# Allegro board ftu_k64_evk.brd (continued)
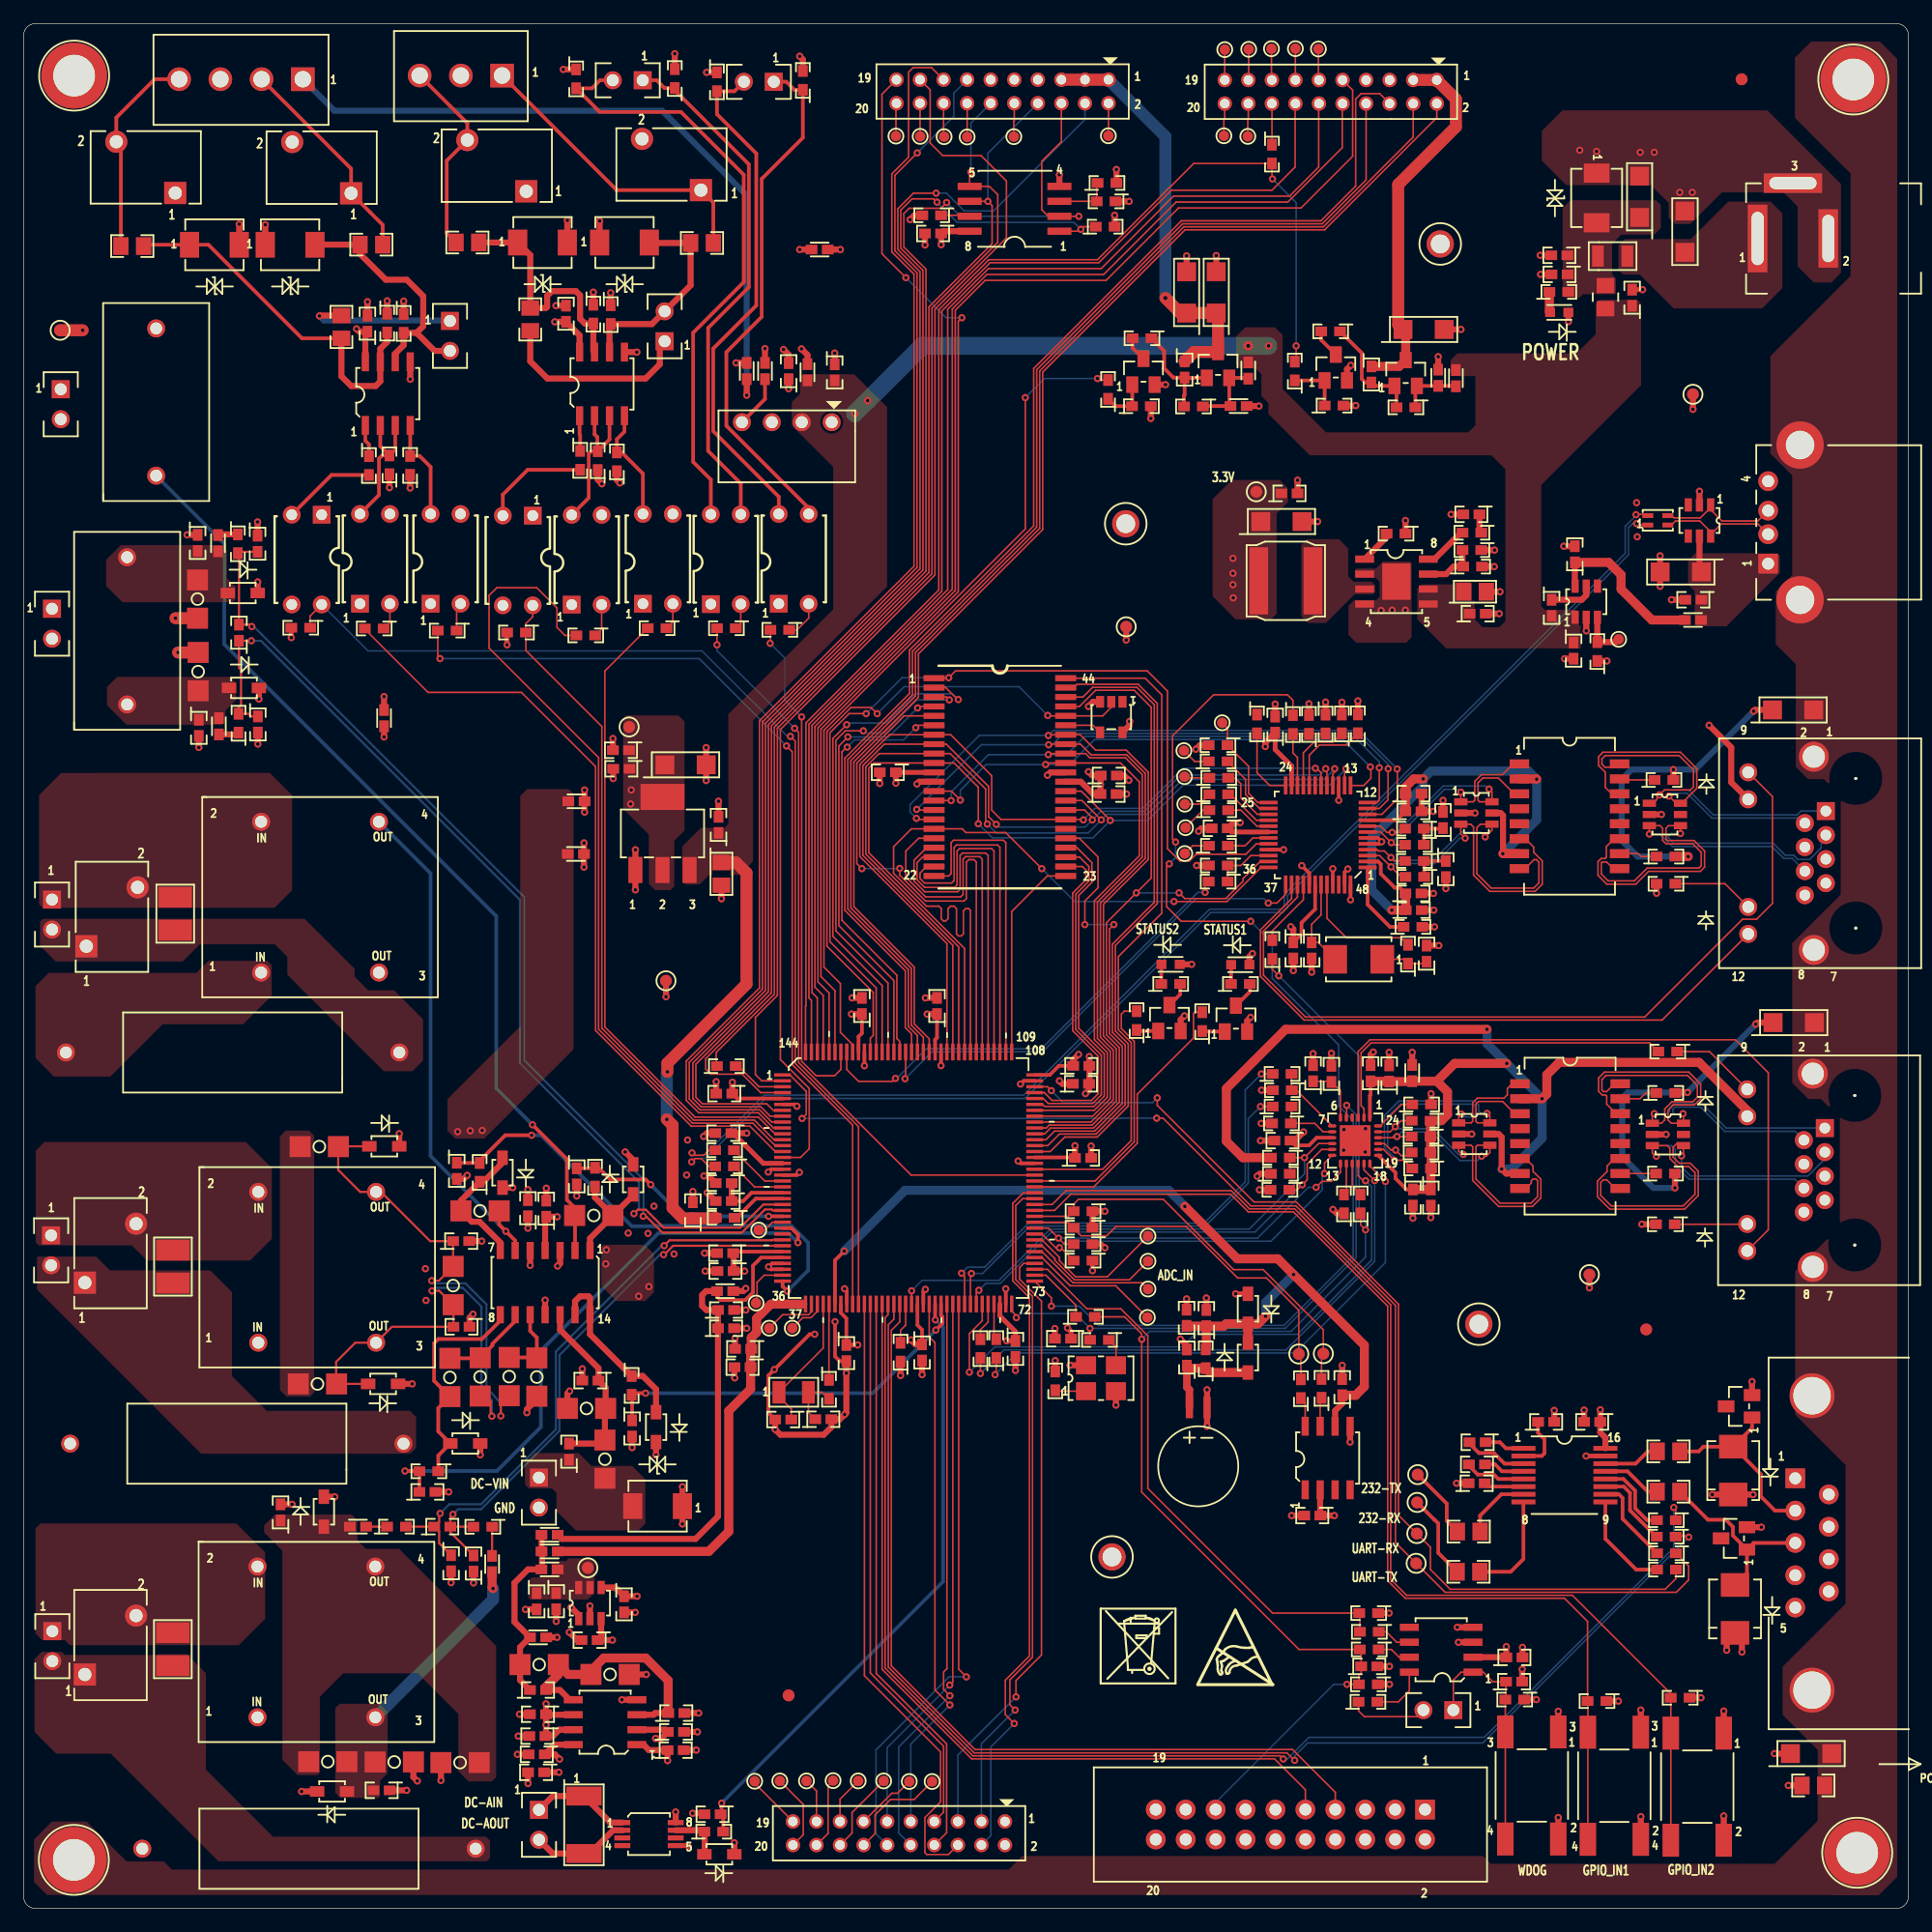
[diagram p0: board, top side]
## Routing (per net, layer and track width the routed paths; a pad name or vN(x,y) marks a point on that pad's centre or on a via; arc(x,y) is an arc through that point) (continued)
U2_IN_N: length 36.9
  TOP w0.178: R39.1 39.16,43.49 39.65,43 39.65,41.89 v1(39.75,41.78) ; D16.A 26.58,44.53 R44.2 26.53,44.56 26.53,46.4 28.16,48.02 PT2.3 31.27,49.37 C45.2 36.49,51.23 R43.2 35.29,52.43 v1(34.67,52.43)
  BOTTOM w0.178: v1(34.67,52.43) 34.92,52.68 37.28,52.68 38.86,51.1 38.86,44.04 39.75,43.15 v1(39.75,41.78)
U2P_OUT: length 51.1
  TOP w0.305: C42.1 33.6,35.36 R38.2 33.58,37.13 v1(32.38,37.13) ; v1(65.74,56.52) 65.74,57.19 65.17,57.75 U1.27
  BOTTOM w0.305: v1(32.38,37.13) 40.18,37.13 43.91,40.86 43.91,47.35 53.89,57.33 64.92,57.33 v1(65.74,56.52)
U3_IN_N: length 47.5
  TOP w0.178: R54.2 38.17,32.41 C52.2 ; C52.2 36.23,31.94 C54.2 ; C52.2 36.23,33.23 v1(36.45,33.45) ; U1.30 55.14,56.25 54.39,55.5 v1(54.33,55.5)
  BOTTOM w0.178: v1(36.45,33.45) 36.88,33.88 38.84,33.88 45.49,40.54 45.49,46.97 54.02,55.5 v1(54.33,55.5)
U3_IN_P: length 49.3
  TOP w0.178: v1(35.36,33.53) 35.28,33.45 35.28,32.83 C52.1 ; C52.1 R49.2 ; C52.1 35.28,31.99 35.28,31 C50.1 ; U1.29 63.6,56.75 63.56,56.72 54.83,56.72 v1(54.38,56.26)
  BOTTOM w0.178: v1(35.36,33.53) 36.14,34.32 38.84,34.32 45.19,40.67 45.19,47.28 54.17,56.26 v1(54.38,56.26)
UART1_RX: length 85.6
  TOP w0.127: v1(87.24,69.42) 86.91,69.75 U1.106 ; R140.1 140.26,28 139.36,27.09 121.1,27.09 119.43,28.77 119.43,30.66 TP22.1 116.71,33.38 116.71,51.29 108.03,59.97 104.44,59.97 96.24,68.17 v1(96.24,68.81)
  BOTTOM w0.127: v1(87.24,69.42) 88.26,68.4 95.83,68.4 v1(96.24,68.81)
UART1_TX: length 111.9
  TOP w0.127: v1(96.18,67.08) 96.73,67.08 104.17,59.64 108,59.64 116.45,51.19 116.45,31.05 TP21.1 120.67,26.84 140.3,26.84 141.35,27.89 141.35,29.07 R136.1 ; v1(66.09,67.06) 66.44,67.41 66.44,69.36 65.05,70.75 U1.1
  BOTTOM w0.127: v1(66.09,67.06) 93.14,67.06 93.16,67.08 v1(96.18,67.08)
USB_5V: length 4.7
  TOP w0.305: U1.22 62.15,60.25 60.52,58.62 R3.1
USB_5V_HOST: length 3.1
  TOP w0.508: U18.5 142.26,113.62 C80.1
USB_EN: length 4
  TOP w0.508: TP20.1 135.16,107.49 R111.2 133.59,109.59 U17.3
USB_HOST_D_N: length 108
  TOP w0.127: v1(56.71,63.37) 56.99,63.65 57.52,63.65 58.19,62.99 R10.2 ; v1(136.93,117.55) 137.05,117.43 L14.1
  BOTTOM w0.127: v1(56.71,63.37) 56.96,63.61 57.03,63.68 57.91,63.68 62.99,68.76 85.01,68.76 100.79,84.54 106.89,84.54 107.3,84.95 107.3,85.98 136.24,114.92 136.24,117.21 136.58,117.55 v1(136.93,117.55)
USB_HOST_D_P: length 108
  TOP w0.127: v1(56.74,64.14) 56.94,63.93 57.75,63.93 58.19,64.36 R9.2 ; v1(136.88,118.31) 136.9,118.34 137.77,118.34 L14.4
  BOTTOM w0.127: v1(56.74,64.14) 56.9,63.96 57.79,63.96 62.87,69.04 84.89,69.04 100.68,84.82 106.77,84.82 107.02,85.07 107.02,86.09 135.96,115.04 135.96,117.32 136.75,118.11 136.75,118.18 v1(136.88,118.31)
USB_HOST_VBUS: length 14.1
  TOP w0.508: U17.6 131.68,112.26 C84.1
  TOP w0.762: L12.1 138.22,109.37 135.61,111.99 135.61,113.21 134.55,114.26 C84.1
VOUT33: length 6.1
  TOP w0.305: U1.21 61.79,60.75 61.08,60.05 C18.1
  TOP w0.508: C17.1 C18.1
VREF_ADC: length 16.1
  TOP w0.508: C123.1 42.14,19.38 R162.1 42.14,22.17 L26.2 41.68,24.32 41.68,27.64 42.82,28.78 L10.2 44.01,28.83 44.01,30.26 L9.2 43.97,31.71 L27.2
VREF_ADC_HALF: length 29.4
  TOP w0.508: v1(45.33,54.53) 45.54,54.74 U6.3 ; R51.2 v1(35.43,10.87) ; v1(33.43,10.82) 33.09,11.15 R53.1 ; U32.2 54.51,15.17 C120.1 54.14,14.43 v1(53.65,14.43) ; L26.1 v1(45.29,23.01) ; C119.1 v1(44.35,15.57) 44.35,14.68 C122.1 44.94,14.63 45.48,15.17 U32.7 ; C119.1 v1(44.35,17.37) ; C119.1 44.39,16.44 U32.6 ; U6.5 v1(43,54.59) ; R35.1 43.57,43.21 42.72,42.37 v1(42.72,42.09) ; U32.1 52.62,13.9 53.09,13.44 C121.1 v1(54.67,12.55)
  TOP w1.016: R32.1 v1(12.89,109.52) ; TP44.1 v1(5.02,133.96) ; R30.2 v1(13.12,106.61)
VREF_HALF: length 21.9
  TOP w0.508: U32.3 53.48,16.44 53.62,16.59 C124.1 ; C123.2 45.52,18.54 46.33,17.73 46.65,17.73 U32.5
  TOP w0.762: C124.1 54.72,19.35 52.81,21.26 49.25,21.26 48.16,20.17 R163.1 46.23,19.86 R162.2 45.39,19.86 44.36,18.83 C123.2
VREF_OUT: length 38.9
  TOP w0.305: U1.37 66.13,51.3
  TOP w0.762: 66.13,51.3 63.44,51.3 62.22,50.09 62.22,48.9 61.77,48.45 C11.1 61.72,47.45 C12.1 61.72,44.09 59.86,42.24 59.86,32 58.17,30.3 L9.1
VREFH: length 44.8
  TOP w0.305: U1.32 62.61,55.25 61.92,54.56 61.92,52.3 61.26,51.64 59.18,51.64 58.87,51.95 L1.1
  TOP w0.508: L27.1 45.69,31.37 57.04,31.37 58.95,33.27 C13.1 C14.1 57.96,50.8 57.6,51.16 57.6,52.07 57.93,52.4 L1.1
WAKE: length 7.3
  TOP w0.127: R88.2 110.49,99.7 R81.1 109.1,99.69 R91.2 107.75,98.08 108.14,97.7 U12.22
WDOG: length 48.8
  TOP w0.127: R147.2 113.44,25.01 R145.2 106.02,25.07 95.44,35.65 95.44,48.61 93.14,50.9 90.27,50.9 86.92,54.25 U1.75
WIFI/LCD_GPIO1: length 106.6
  TOP w0.127: U1.9 63.52,66.75 62.47,67.79 57.42,67.79 56.51,68.7 56.51,71.82 62.72,78.03 62.72,100.71 75.84,113.83 75.84,138.84 73.96,140.72 73.96,147.12 v1(75.86,149.02)
  BOTTOM w0.127: J21.13 78.96,154.1 78.96,152.12 v1(75.86,149.02)
WIFI/LCD_GPIO2: length 109.4
  TOP w0.127: U1.10 63.66,66.25 62.37,67.54 57.31,67.54 56.26,68.59 56.26,71.93 62.47,78.14 62.47,100.81 75.59,113.93 75.59,138.73 73.71,140.61 73.71,147.24 75.13,148.67 75.13,155.88 75.51,156.26 77.07,156.26 J21.15
WIFI/LCD_GPIO3: length 107.2
  TOP w0.127: U1.15 65.96,63.75 66.7,64.49 66.7,69.6 64.24,72.06 64.24,100.08 77.36,113.19 77.36,135.74 83.43,141.81 83.43,146.63 81.27,148.79 78.02,148.79 76.96,149.86 76.96,154.38 J21.17
WIFI/LCD_GPIO4: length 92.1
  TOP w0.127: v1(79.65,135.03) 79.34,134.72 79.34,111.77 67.69,100.11 67.69,79.11 68.88,77.91 U1.139 ; J21.19 72.87,154 72.87,140.46 v1(74.9,138.43)
  BOTTOM w0.127: v1(79.65,135.03) 78.3,135.03 v1(74.9,138.43)
WIFI/LCD_PWR_CNTL: length 71.4
  TOP w0.127: v1(91.16,129.87) 91.29,129.74 R153.2 ; U1.136 70.38,73.33 69.34,74.37 69.34,78.51 67.94,79.91 67.94,100.01 85.03,117.1 v1(85.03,128.24)
  BOTTOM w0.127: v1(85.03,128.24) 86.66,129.87 v1(91.16,129.87)
N16756265: length 3
  TOP w0.127: R65.1 T1.10
N16756269: length 3.3
  TOP w0.127: R66.1 137.7,69.23 137.21,68.73 T1.15
N16757442: length 16.4
  TOP w0.305: D11.A 142.6,39.2 142.2,38.8 R135.2 ; D11.A 147.47,36.86 147.47,34.98 148.67,33.77 J16.2 ; D11.A 146.72,40.79 DN2.1
N16757516: length 15.9
  TOP w0.305: DN1.1 146.29,28.47 D10.A ; DN1.1 146.85,31.03 J16.3 ; DN1.1 145.1,31.65 145.1,32.38 144.5,32.99 142.98,32.99 R139.2
N16758787: length 3.4
  TOP w0.305: C93.1 125.32,39.57 125.83,39.06 U28.1
N16758791: length 5.4
  TOP w0.305: U28.3 125.71,37.76 124.81,38.66 123.54,38.66 122.74,39.46 C93.2
N16758795: length 3.5
  TOP w0.305: U28.4 125.5,37.11 124.91,37.69 C92.1
N16758815: length 5.2
  TOP w0.305: C92.2 122.69,37.58 123.44,36.83 124.81,36.83 125.18,36.46 U28.5
N16758819: length 3.4
  TOP w0.305: U28.6 124.32,35.81 C91.2
N16758823: length 4.8
  TOP w0.305: R135.1 137.88,38.8 136.84,37.76 U28.14
N16758837: length 7
  TOP w0.305: U28.11 135.84,35.81 136.37,35.28 136.37,33.79 138.6,31.56 R134.2
N16758843: length 6.7
  TOP w0.305: R138.2 137.81,32.96 136.8,33.97 136.8,35.46 135.8,36.46 U28.12
N16758849: length 4.8
  TOP w0.305: U28.2 128.88,38.41 129.1,38.63 129.1,39.83 128.56,40.37 C89.1
N16758873: length 5.1
  TOP w0.305: R139.1 137.88,35.38 136.15,37.11 U28.13
N16759319: length 2.5
  TOP w0.127: U5.7 80.22,143.73 R25.1
N16772440: length 9.4
  TOP w0.508: D3.A 51.75,60.54 R28.2 ; R28.2 48.51,60.34 R27.1 ; R28.2 48.08,56.88 U6.1
N16775214: length 11.3
  TOP w0.508: D4.A 40.66,63.3 39.04,61.68 R31.1 37.12,60.09 R33.2 38.04,58.29 38.7,58.29 40.46,56.53 U6.7
N16775930: length 19.6
  TOP w0.305: R38.1 35.2,38.44 D5.A 35.2,40.49 35.2,42.46 R40.2 34.85,44.79 34.85,47.98 35.2,48.34 38.91,48.34 40.46,49.89 U6.8
N16775968: length 6.3
  TOP w0.305: R37.2 43.53,46.77 R35.2 43.57,48.46 43,49.02 U6.10
N16775998: length 7.5
  TOP w0.305: R40.1 38.71,46.7 R39.2 39.8,47.79 39.8,47.93 41.73,49.86 U6.9
N16783367: length 15.4
  TOP w0.508: U6.12 45.54,49.12 48.8,45.86 C47.1 49.41,44.2 R47.1 49.35,42.38 R45.2 49.05,39.46 C46.2
N16785222: length 16.5
  TOP w0.762: L8.1 39.77,27.23 v1(39.85,27.15)
  BOTTOM w1.016: PT3.3 39.85,26.22 v1(39.85,27.15)
N16786136: length 2.5
  TOP w0.178: L8.2 39.77,32.38 R54.1
N16786139: length 1.8
  TOP w0.178: R49.1 L7.2
N16788483: length 15.2
  TOP w0.508: U6.13 46.81,51.54 47.24,51.96 47.95,51.96 48.08,51.84 U6.14 48.08,48.73 R46.1 52.56,45.2 53.69,44.07 D6.A
N16795804: length 1.8
  TOP w0.762: R157.1 129.52,135.55 D12.A
N16798051: length 3.9
  TOP w0.508: U17.5 132.65,111.47 132.26,111.09 C83.1
N16806806: length 4
  TOP w0.127: C77.1 118.94,80.21 R96.1 117.16,80.57 Y2.1
N16812858: length 3.2
  TOP w0.127: U1.68 81.88,49.78 81.22,49.12 R2.2
N16812861: length 3.1
  TOP w0.127: R4.2 82.38,48.52 U1.69
N16826797: length 12
  TOP w0.305: R114.2 31.55,123.83 U21.3 ; R114.2 30.45,123.34 30.17,123.06 30.17,119.98 U22.4 ; R114.2 30.28,124.12 U21.2
N16826898: length 8.7
  TOP w0.305: U21.4 32.82,123.3 R118.2 33.62,123.29 34.55,122.36 U23.4
N16826947: length 13.1
  TOP w0.508: R124.1 25.15,135.21 v1(25.12,135.18)
  BOTTOM w0.508: v1(25.12,135.18) 25.5,134.8 36.16,134.8 J12.1
N16841183: length 16.8
  TOP w0.508: J14.1 54.01,132.62 54.01,131.08 52.8,129.87 44.47,129.87 43.01,131.33 R132.1
N16842812: length 2.3
  TOP w0.127: R115.1 31.1,109.18 U22.2
N16843774: length 2.4
  TOP w0.127: U23.2 36.76,110.42 R119.1
N16843986: length 8
  TOP w0.305: U19.2 26.14,121.68 R113.2
N16846359: length 2.7
  TOP w0.305: R113.1 29.32,124.28 29.01,124.59 U21.1
N16848477: length 2.8
  TOP w0.127: U26.2 49.07,108.61 R125.1
N16848509: length 13.2
  TOP w0.305: U25.2 48.47,125.14 48.71,124.89 48.71,123.72 R123.2 ; R123.2 48.2,123.7 47.98,123.47 47.98,119.74 U26.4 ; R123.2 49.74,124.7 U25.3
N16848511: length 2.3
  TOP w0.127: U27.2 55.11,109.21 R131.1
N16848567: length 9.8
  TOP w0.305: U27.4 52.57,121.79 50.77,123.6 R130.2 50.36,124.72 51.01,125.36 U25.4
N16848581: length 9.2
  TOP w0.305: R121.2 42.79,122.12 40.68,120.01 U24.2
N16848643: length 3
  TOP w0.305: U25.1 47.2,125.11 47.25,125.06 R121.1
N16852593: length 4.7
  TOP w0.127: R143.2 116.69,17.54 117.64,18.48 U29.8
N16852608: length 21
  TOP w0.127: J17.1 121.37,19.39 122.03,20.06 U29.1 123.91,20.06 124.71,19.25 C95.1 125.84,17.79 R142.2 125.78,17.73 SW3.3 SW3.4
N16852627: length 2.9
  TOP w0.127: U29.7 116.77,21.33 116.11,21.98 R146.1
N16852920: length 3
  TOP w0.127: R147.1 115.68,23.48 116.56,22.6 U29.6
N16858143: length 6.2
  TOP w0.127: R67.1 146.29,58.08 P1.11
N16858278: length 7.3
  TOP w0.127: R68.1 143.11,72.73 P1.9
N16861702: length 3.2
  TOP w0.127: R92.1 137.3,89.29 137.05,89.53 T2.10
N16861704: length 3
  TOP w0.127: R93.1 135.57,95.79 T2.15
N16871213: length 6.4
  TOP w0.305: L22.1 103.89,129.93 Q3.2 102.35,127.63 L20.1 100.14,127.53 R149.1
N16871247: length 4.1
  TOP w0.305: R153.1 92.68,127.52 R155.1 94.11,127.54 Q5.1
N16871250: length 9.4
  TOP w0.305: Q3.1 98.58,129.93 C100.2 ; C100.2 98.56,128.5 98.51,128.45 R149.2 ; C100.2 97.61,129.95 96.82,130.73 96.82,132.21 R151.1
N16871668: length 2.1
  TOP w0.305: R151.2 94.14,132.47 Q5.3
N16872241: length 4.7
  TOP w0.305: R156.1 110.44,129.7 Q6.1 110.44,129.71 R154.1
N16872243: length 9.7
  TOP w0.305: R152.1 113.6,132.03 113.6,129.83 113.9,129.53 C102.2 114.69,129.24 Q4.1 116.54,129.07 R150.2
N16872250: length 5.2
  TOP w0.305: R150.1 118.14,129.11 Q4.2 120.08,129.24 L21.1 121.55,129.24 L23.1
N16872280: length 2.5
  TOP w0.305: Q6.3 110.15,133.14 R152.2
N16877055: length 2.9
  TOP w0.508: U30.1 115.7,116.4 R159.2
N16877530: length 3.8
  TOP w0.508: R160.2 122.01,116.78 119.76,114.54 U30.8
N16877846: length 1.6
  TOP w0.508: C111.1 123.59,116.94 R160.1
N16878713: length 4.7
  TOP w0.508: R161.2 122.14,113.97 R158.1 121.39,113.9 120.75,113.27 U30.7
N16899253: length 7
  TOP w0.305: U12.1 114.09,85.22 115.99,83.32 R97.1
N16906260: length 7
  TOP w0.127: P2.11 144.43,86.98 R94.1
N16913941: length 3.7
  TOP w0.127: R84.2 103.69,90.21 104.35,90.87 U12.31
N16913953: length 4
  TOP w0.127: U12.29 104.69,91.87 103.34,93.23 R85.2
N16913968: length 4.3
  TOP w0.127: U12.28 104.65,92.37 102.45,94.57 R86.2
N16913982: length 5.4
  TOP w0.127: U12.27 104.73,92.87 103.32,94.28 103.32,95.48 102.83,95.97 R87.2
N16913996: length 5.9
  TOP w0.127: R89.2 103.73,95.84 103.73,94.56 104.91,93.37 U12.26
N16917794: length 5.5
  TOP w0.127: U1.74 86.78,53.75 89.34,51.19 R11.1
N16918817: length 6.4
  TOP w0.127: U1.41 68.38,49.93 68.36,49.91 68.36,44.88 R12.1
N16919212: length 2.6
  TOP w0.127: R16.2 87.65,43.91 Y1.1
N16919504: length 2.4
  TOP w0.127: R18.1 92.73,47.66 Y1.3
N16920348: length 5.2
  TOP w0.127: U1.19 62.92,61.75 R9.1
N16920352: length 4.8
  TOP w0.127: U1.20 62.05,61.25 R10.1
N16922932: length 1.6
  TOP w0.305: D8.C 102.51,78.49 R99.1
N16922934: length 2.3
  TOP w0.305: Q1.3 104.09,77.81 R99.2
N16922936: length 1.9
  TOP w0.305: R101.1 100.09,74.43 Q1.1
N16922944: length 2.2
  TOP w0.305: R100.2 98.18,77.59 Q2.3
N16922946: length 1.7
  TOP w0.305: D9.C 96.58,80.12 R100.1
N16922998: length 2.2
  TOP w0.127: R106.1 60.88,109.09 U15.2
N16923008: length 51.9
  TOP w0.305: J8.2 48.93,155.19 48.25,154.5 R104.2 48.91,152.5 55.8,152.5 61.13,147.17 61.13,138.05 56.84,133.76 56.84,122.79 58.34,121.28 U15.4
N16923020: length 44.4
  TOP w0.305: U15.3 60.88,120.95 58.11,123.72 58.11,134.16 61.56,137.62 61.56,148.06 55.28,154.34 R108.1 54.4,154.53 53.75,155.19 J8.1
N16923032: length 3.3
  TOP w0.127: R105.1 65.66,108.54 66.65,109.52 U16.2
N16923042: length 43.7
  TOP w0.305: U16.4 64.11,119.83 58.54,125.4 58.54,132.41 62.2,136.07 62.2,148.97 58.86,152.31 R103.2 60.34,154.25 J9.2
N16923054: length 44.3
  TOP w0.305: U16.3 66.65,118.87 59.66,125.86 59.66,132.11 62.66,135.1 62.66,146.81 66.15,150.31 R107.1 65.43,154.37 64.75,155.06 J9.1
N16935990: length 1.7
  TOP w0.508: L6.2 16.57,116.64 R34.1
N16935992: length 1.7
  TOP w0.508: R29.1 18.09,99.66 L5.2
N16963015: length 2.5
  TOP w0.127: TP12.1 99.41,97.37 R89.1
N16963035: length 2.3
  TOP w0.127: R84.1 99.23,90.21 TP9.1
N16963490: length 2.6
  TOP w0.127: R85.1 100.12,93.23 TP10.1
N16963499: length 2.4
  TOP w0.127: TP8.1 99.82,93.74 R86.1
N16963508: length 2.2
  TOP w0.127: R87.1 98.65,95.97 TP11.1
N16964483: length 6.7
  TOP w0.127: J17.2 118.28,16.28 113.81,16.28 113.32,16.77 R143.1
N16992640: length 4.7
  TOP w0.127: R13.2 60.68,71.5 62.43,69.75 U1.3
N16997663: length 8.6
  TOP w0.305: U28.9 134.28,31.38 136.89,28.77 R140.2
N16997666: length 7.5
  TOP w0.305: R136.2 135.73,33.08 135.73,34.85 135.42,35.16 U28.10
N17002202: length 4.1
  TOP w0.127: J10.15 69.31,9.28 TP18.1
N17002209: length 9
  TOP w0.127: J10.14 72.28,6.36 72.28,7.94 73.6,9.26 75.61,9.26 TP17.1
N17002232: length 7
  TOP w0.127: J10.16 70.33,6.4 70.33,8.14 TP19.1
N17002285: length 2.7
  TOP w0.127: TP27.1 109.92,155.26 J22.11
N17002298: length 2.7
  TOP w0.127: TP28.1 107.96,155.21 J22.13
N17002307: length 2.7
  TOP w0.127: TP30.1 105.93,155.25 J22.15
N17009409: length 4.4
  TOP w0.508: U7.7 57.67,6.64 R55.1 57.82,6.49 57.82,4.62 D7.A
N17012939: length 5.8
  TOP w0.305: U28.7 125.45,35.16 123.64,33.35 R137.1
N17012953: length 9
  TOP w0.305: R141.1 126.24,28.58 127.32,29.66 U28.8
N17025356: length 4.5
  TOP w0.305: U20.4 62.94,128.12 L15.1
N17038152: length 2.5
  TOP w0.127: U2.8 108.79,42.95 R14.1
N17038155: length 2.5
  TOP w0.127: R15.1 110.06,43.23 U2.7
N17041648: length 2.9
  TOP w0.127: J21.16 78.1,150.44 TP31.1
N17041650: length 2.9
  TOP w0.127: J21.14 80.1,150.37 TP29.1
N17041652: length 2.9
  TOP w0.127: TP26.1 84.06,151.71 84.1,151.75 J21.10
N17041654: length 2.8
  TOP w0.127: TP25.1 92.1,150.49 J21.2
N17042189: length 3.5
  TOP w0.127: R148.1 105.97,153.2 J22.16
N17042264: length 2.6
  TOP w0.127: J22.17 104,155.24 TP34.1
N17042273: length 2.6
  TOP w0.127: TP35.1 101.97,155.21 J22.19
N17042288: length 2.8
  TOP w0.127: TP36.1 103.92,151.87 103.96,151.91 J22.18
N17042303: length 2.8
  TOP w0.127: J22.20 101.96,151.96 101.89,151.88 TP37.1
N17042405: length 2.8
  TOP w0.127: J21.18 76.1,150.43 TP38.1
N17042414: length 2.8
  TOP w0.127: J21.20 74.05,153.19 TP39.1
N17045351: length 3.8
  TOP w0.127: TP40.1 67.31,9.97 J10.17
N17045355: length 4.8
  TOP w0.127: J10.19 62.06,10.63 TP41.1
N17045369: length 6.1
  TOP w0.127: TP42.1 68.3,10.43 68.3,6.37 J10.18
N17045378: length 6.6
  TOP w0.127: J10.20 66.19,6.26 66.19,8.83 TP43.1
N17061950: length 1.9
  TOP w0.305: R102.1 94.57,74.48 Q2.1
N17108951: length 28.3
  TOP w0.508: v1(141.24,69.27) 140.24,69.27 R66.2 ; C65.1 147.17,75.2 v1(147.04,75.06) ; R65.2 v1(140.18,61.16)
  BOTTOM w0.508: v1(140.18,61.16) 138.35,61.16 135.7,63.81 135.7,68.81 136.16,69.27 v1(141.24,69.27) v1(147.04,75.06)
N17109053: length 28.6
  TOP w0.508: C76.1 146.97,101.74 v1(146.86,101.63) ; R93.2 v1(140.05,96.68)
  TOP w0.762: R92.2 v1(141.31,89.29)
  BOTTOM w0.508: v1(141.31,89.29) 137.02,89.29 135.66,90.65 135.66,95.83 136.5,96.68 v1(140.05,96.68) 141.91,96.68 v1(146.86,101.63)
N17166355: length 3
  TOP w0.305: R75.1 R76.1 120.44,91.66 C125.1
N17166431: length 3.2
  TOP w0.305: R77.1 118.9,88.89 R78.1 120.73,88.92 C126.1
N17167419: length 5.3
  TOP w0.127: TP45.1 74.19,9.78 73.71,9.78 J10.13
N17171737: length 4.8
  TOP w0.127: U1.38 66.88,50.65 66.63,50.4 64.44,50.4 TP46.1
N17171740: length 3.3
  TOP w0.127: TP47.1 66.14,50.15 66.84,50.15 67.38,50.68 U1.39
N17171751: length 4.2
  TOP w0.127: U1.35 62.87,53.75 62.26,53.14 62.26,51.47 TP48.1
N17171755: length 2.3
  TOP w0.127: TP49.1 62.9,57.59 63.56,58.25 U1.26

## Copper pours and planes (outline as drawn; the poured copper is in the pictures)
5V_DC_JACK on TOP: 144.7,144.88 148.31,144.88 149.3,143.89 149.3,137.54 147.57,135.81 140.08,135.81 137.21,138.68 135.78,138.68 135.38,139.09 135.38,141.15 135.94,141.71 141.52,141.71
5V_IN on TOP: 131.31,145.01 138.58,145.01 138.98,144.6 138.98,142.65 138.42,142.09 135.63,142.09 134.84,141.3 134.84,138.71 135.17,138.38 135.17,137.06 135.15,137.03 132.38,137.03 132.1,136.75 130.78,136.75 130.65,136.88 130.65,144.35
AGND on BOTTOM: 0.94,159.05 66.16,159.05 67.11,158.11 67.11,117.66 66.24,116.8 22.85,116.8 21.84,117.81 21.84,133.95 16.79,139 1.05,139 0.8,139.24 0.8,158.92
AGND on GND: 16.64,138.91 0.76,138.91 0.76,159.24 67.23,159.24 67.23,120.96 67.33,120.85 67.33,117.68 66.24,116.59 21.89,116.59 21.89,133.66
GND on TOP: 113.15,113.74 114.8,113.74 115.41,114.35 117.7,114.35 117.83,114.22 117.83,107.9 117.37,107.44 113.13,107.44 112.47,108.1 112.47,110.57 112.95,111.05 114.8,111.05 115.11,111.35 115.11,112.62 114.78,112.95 113.08,112.95 113,113.03 113,113.59
GND on TOP: 130.63,152.63 148.03,152.63 154.27,146.38 154.27,138.84 153.46,138.02 151.96,138.02 150.59,139.4 150.59,144.48 149.4,145.67 144.17,145.67 141.47,142.98 140.2,142.98 139.64,143.54 139.64,144.78 138.15,146.28 130.96,146.28 128.87,148.36 128.87,150.88
GND on BOTTOM: 67.97,158.98 148.89,158.98 150.33,157.54 150.33,152.6 154.06,148.87 154.06,139.18 153.38,138.51 148.22,138.51 145.51,135.8 145.51,105.19 141.74,101.42 128.77,101.42 126.96,99.61 126.96,59.13 127.42,58.68 136.24,58.68 136.84,59.28 140.76,59.28 147.85,52.19 147.85,36.66 151.24,33.27 151.24,23.85 148.45,21.06 148.45,15.52 150.22,13.75 150.22,10.2 149.58,9.56 148.33,9.56 148.3,9.6 146.71,9.6 142.19,5.08 88.33,5.08 86.33,7.07 86.33,11.3 86.71,11.67 86.71,20.84 78.6,28.94 78.6,47.6 77.13,49.06 69.82,49.06 68.05,50.84 68.05,57.96 65.26,60.75 61.61,60.75 60.7,59.84 56.93,59.84 47.39,69.38 47.39,90.3 48.07,90.98 52.1,90.98 52.97,91.84 52.97,95.42 51.05,97.35 46.79,97.35 42.49,101.64 28.36,101.64 22.06,107.94 22.06,115.06 22.59,115.59 66.77,115.59 67.97,116.8 ; 19 cut-outs
GND on GND: 63.04,0.76 63.04,47.39 63.78,48.13 65.53,48.13 67.94,50.54 67.94,57.79 65.43,60.3 62.3,60.3 61.43,59.44 57.05,59.44 47.19,69.29 47.19,96.8 42.7,101.3 28.4,101.3 21.84,107.85 21.84,116.08 66.92,116.08 67.92,117.07 67.92,159.01 68.15,159.24 159.24,159.24 159.24,0.76
GND_EARTH on TOP: 151.73,158.47 157.58,158.47 159.05,157 159.05,2.69 157.47,1.12 153.49,1.12 153.46,1.14 1.99,1.14 0.89,2.24 0.89,5.86 2.4,7.37 5.36,7.37 8.74,4 11.9,4 12.6,3.29 83.61,3.29 84.77,4.45 123.88,4.45 124.55,3.78 148.65,3.78 152.29,7.43 152.29,13.46 149.32,16.43 149.32,20.52 154.66,25.86 154.66,37.64 150.39,41.91 150.39,54.1 154.17,57.89 154.17,67.11 152.57,68.71 151.51,68.71 150.13,70.08 150.13,81.94 154.25,86.06 154.25,94.44 152.83,95.86 151.48,95.86 150.44,96.9 150.44,105.61 148.74,107.31 148.74,111.81 150.13,113.21 150.13,121.64 148.28,123.49 148.28,131.78 155.09,138.58 155.09,147.27 150.36,151.99 150.36,157.1
GND_EARTH on BOTTOM: 146.36,8.57 150.56,8.57 151.28,9.28 151.28,15.37 149.69,16.95 149.69,20.42 155.27,25.99 155.27,36.44 149.43,42.28 149.43,54.72 154.97,60.26 154.97,65.8 150.18,70.58 150.18,81.89 153.35,85.06 153.91,85.06 154.48,85.62 154.48,94.03 152.63,95.88 151.54,95.88 148.11,99.31 148.11,111.52 149.73,113.14 149.73,121.88 148.9,122.71 148.9,136.25 150.33,137.68 153.88,137.68 155.08,138.89 155.08,149.48 151.05,153.51 151.05,157.69 151.95,158.6 157.64,158.6 158.92,157.31 158.92,1.34 158.52,0.94 2.12,0.94 1.03,2.03 1.03,6.39 2.05,7.41 6.27,7.41 7.96,5.72 7.96,4.95 9.05,3.86 88.19,3.86 88.68,4.35 142.14,4.35
GND_EARTH on VCC: 152.06,0.76 152.06,13.14 149.68,15.52 149.68,20.82 154.58,25.73 154.58,37.67 150.06,42.19 150.06,51.87 147.78,54.15 139.47,54.15 133.55,60.07 133.55,97.99 134.59,99.03 143.64,99.03 148.74,104.14 148.74,111.91 150.08,113.26 150.08,121.42 148.28,123.22 148.28,131.57 155.26,138.55 155.26,147.53 150.49,152.3 150.49,159.24 159.24,159.24 159.24,0.76
GNDA on VCC: 0.76,0.76 0.76,138.43 16.5,138.43 21.28,133.65 21.28,107.69 28.19,100.79 42.49,100.79 46.68,96.59 46.68,69.42 46.65,69.42 46.65,69.11 56.84,58.93 61.64,58.93 62.51,59.79 65.22,59.79 67.43,57.58 67.43,50.54 65.53,48.64 63.57,48.64 62.53,47.6 62.53,0.76
GNDA on GND: 0.76,0.76 0.76,138.4 16.42,138.4 21.25,133.58 21.25,107.72 28.19,100.79 42.49,100.79 46.68,96.59 46.68,69.08 56.84,58.93 61.64,58.93 62.51,59.79 65.22,59.79 67.43,57.58 67.43,50.75 65.32,48.64 63.57,48.64 62.53,47.6 62.53,0.76
VCC_3V3 on TOP: 51.12,101.27 55.6,101.27 56.1,100.76 56.1,91.49 55.24,90.63 55.24,86.77 54.91,86.44 53.61,86.44 53.08,86.97 53.08,91.16 50.9,93.34 50.9,101.04
VCC_3V3 on BOTTOM: 47.34,95.55 51.89,95.55 52.22,95.22 52.22,92.1 51.94,91.82 47.75,91.82 46.88,92.68 46.88,95.1
VDD_3V3 on TOP: 102.56,121.26 106.62,121.26 107.34,120.55 107.34,119.38 106.37,118.41 106.37,109.91 105.89,109.42 102.89,109.42 100.93,111.38 100.93,119.63
VDD_3V3 on VCC: 63.04,0.76 63.04,47.39 63.78,48.13 65.53,48.13 67.94,50.54 67.94,57.79 65.43,60.3 62.3,60.3 61.43,59.44 57.05,59.44 47.19,69.29 47.19,96.8 42.7,101.3 28.4,101.3 21.79,107.9 21.79,116.08 66.6,116.08 67.81,117.29 67.81,159.24 149.98,159.24 149.98,152.09 154.76,147.32 154.76,138.76 147.77,131.78 147.77,123.01 149.58,121.21 149.58,113.47 148.23,112.12 148.23,104.35 143.42,99.54 129.99,99.54 128.06,97.62 128.06,90.47 129.18,89.35 129.18,86.87 127.86,85.55 127.86,63.47 128.9,62.43 128.9,59.1 129.79,58.22 134.69,58.22 139.26,53.64 147.57,53.64 149.55,51.66 149.55,41.98 154.07,37.46 154.07,25.94 149.17,21.03 149.17,15.31 151.56,12.93 151.56,0.76
VDD_5V on TOP: 118.66,112.39 121.41,112.39 121.69,112.67 122.7,112.67 123.18,112.19 123.18,109.42 123.85,108.76 125.27,108.76 125.78,109.27 125.78,122.17 124.61,123.34 109.19,123.34 105.66,126.87 105.66,127.79 105.08,128.37 105.08,130.23 104.57,130.73 103.28,130.73 102.95,131.06 102.95,133.45 103.71,134.21 106.22,134.21 106.88,133.55 106.88,128.98 110.57,125.3 122.63,125.3 123.24,125.91 123.24,130.05 123.27,130.07 121.43,130.07 121.13,130.38 121.13,131.42 121.71,132 131.82,132 133.45,133.63 133.45,136.25 133.75,136.55 136.98,136.55 137.31,136.22 137.31,129.31 128.83,120.83 128.83,110.54 129.16,110.21 129.94,110.21 129.97,110.24 131.8,110.24 132,110.03 132,109.73 131.97,109.7 131.97,109.02 132.2,108.79 132.2,106.96 120.77,106.96 118.31,109.42 118.31,112.04
VDD_5V on TOP: 66.17,130.23 70.51,130.23 73.3,127.43 73.3,112.22 61.93,100.84 61.93,88.87 60.78,87.73 58.19,87.73 57.38,86.92 56.21,86.92 55.91,87.22 55.91,90.14 57.48,91.72 59.49,91.72 59.82,92.05 59.82,101.37 68.73,110.29 68.73,122.35 65.2,125.88 65.2,127.86 65.91,128.57 65.91,129.97
VDDA_3V3 on TOP: 49.22,56.34 52.73,56.34 53.51,55.55 53.51,52.3 52.78,51.56 50.31,51.56 49.04,52.83 49.04,56.16
VDDA_3V3 on TOP: 42.74,95.02 46.27,95.02 46.68,94.61 46.68,72.92 39.11,65.35 36.65,65.35 35.99,66.01 35.99,68.71 42.16,74.88 42.16,94.44
VDDA_3V3 on BOTTOM: 36.39,66.73 40.84,66.73 50.41,57.15 50.41,54.91 49.55,54.05 47.7,54.05 46.53,55.22 46.53,56.64 45.77,57.4 42.03,57.4 35.91,63.53 35.91,66.24
VDDA_3V3 on BOTTOM: 57.45,55.91 62.43,55.91 62.78,55.55 62.78,46.63 60.7,44.55 52.5,44.55 51.76,43.81 51.76,42.37 52.29,41.83 66.09,41.83 66.8,41.12 66.8,18.54 58.54,10.29 58.54,7.71 57.93,7.09 54.28,7.09 53.77,7.6 53.77,8.86 58.64,13.74 58.64,18.67 57.22,20.09 50.34,20.09 50.15,19.9 50.15,14.32 46.97,11.14 45.35,11.14 45.05,11.44 45.05,13.29 46.64,14.88 46.64,23.33 47.04,23.72 47.04,47.62 55.24,55.83 57.37,55.83
DC_V1_IN on TOP: 47.11,38.66 48.2,37.57 51.66,37.57 52.78,36.45 52.78,32.66 52.19,32.08 46.88,32.08 45.23,33.73 45.23,35.28 44.87,35.65 42.9,35.65 42.56,35.98 42.56,37.84 43.38,38.66
RS485_5V on VCC: 21.79,116.59 21.79,116.59 21.79,133.86 16.71,138.94 0.76,138.94 0.76,159.24 67.3,159.24 67.3,117.5 66.39,116.59
U1_L on TOP: 33.01,71.07 30.58,71.07 22.4,79.25 22.4,80.77 21.33,81.84 14.96,81.84 13.51,80.39 2.72,80.39 1.39,81.72 1.39,83.77 1.63,84 23.86,84 28.1,79.77 28.1,79.09 29.25,77.94 31.45,77.94 33.91,75.48 33.91,71.97
U1_N on TOP: 6.22,96.39 20.9,96.39 22.8,94.5 22.8,86.43 21.31,84.94 1.61,84.94 1.32,85.24 1.32,94.51 3.18,96.38 6.2,96.38
U2_L on TOP: 6.16,55.33 7.33,54.16 15.84,54.16 17.69,52.31 17.69,45.19 20.64,42.24 32.79,42.24 33.32,41.71 33.32,39.1 32.83,38.6 15.08,38.6 1.14,52.54 1.14,55.24 1.23,55.33
U2_N on TOP: 1.77,65.06 18.86,65.06 21.08,62.84 21.08,56.85 19.22,55 10.48,55 9.19,56.29 1.28,56.29 1.04,56.52 1.04,64.33
U3_L on TOP: 3.23,21.78 3.49,21.52 11.34,21.52 11.41,21.58 13.86,21.58 15.48,19.96 15.48,11.78 21.18,6.09 39.26,6.09 39.59,5.76 39.59,4.27 39.32,4 16.54,4 7.4,13.14 2.77,13.14 0.93,14.98 0.93,21.17 1.53,21.78
U3_N on TOP: 1.44,32.68 18.06,32.68 20.51,30.23 20.51,24.6 18.26,22.35 3.92,22.35 3.49,22.78 1.57,22.78 1.01,23.34 1.01,32.25
USB_5V_HOST on TOP: 141.9,115.04 148.86,115.04 149.09,114.81 149.09,113.39 144.55,108.84 141.98,108.84 141.85,108.97 141.85,111.81 141.29,112.37 141.29,114.43
VREF_1V2 on TOP: 46.27,29.72 48.08,29.72 48.48,29.31 48.48,26.8 47.9,26.21 43,26.21 42.84,26.37 42.84,27.79 43.15,28.09 44.55,28.09 44.83,28.37 44.83,29.34 44.98,29.49 46.04,29.49
VREF_ADC_HALF on BOTTOM: 5.08,135.28 12.36,135.28 12.85,134.8 12.85,127.74 10.28,125.17 10.28,119.84 16,114.12 16,91.41 20.45,86.96 25.55,86.96 31.83,80.68 31.83,77.16 29.8,75.12 29.8,71.1 33.16,67.75 33.16,63.89 40.51,56.54 45.69,56.54 45.77,56.46 45.77,53.31 45.36,52.91 38.78,52.91 35.06,56.63 30,56.63 27.91,54.53 27.91,47.95 29.94,45.92 33.14,45.92 38.53,40.54 40.46,40.54 41.14,41.22 41.14,43.05 41.6,43.51 42.74,43.51 43.1,43.15 43.1,40.51 40.36,37.77 36.22,37.77 33.1,40.88 30.86,40.88 30.86,40.89 30.29,40.89 28,38.61 28,14.7 28.73,13.97 31.01,13.97 40.68,23.65 45.3,23.65 45.73,23.21 45.73,15.83 43.96,14.05 43.96,11.52 44.73,10.74 48.92,10.74 51.94,13.75 51.94,17.5 53.69,19.25 56.74,19.25 57.22,18.77 57.22,14.45 49.75,6.99 25.66,6.99 21.53,11.11 21.53,71.54 22.8,72.8 22.8,79.78 21.53,81.04 19.5,81.04 11.44,89.1 11.44,113.69 5.01,120.13 5.01,130.44 4.51,130.93 4.51,134.72
N16785222 on TOP: 26.84,17.38 30.22,17.38 30.91,16.68 30.91,11.48 30.28,10.86 30.28,9.55 30.12,9.38 26.91,9.38 26.46,9.83 26.46,17
N16785246 on BOTTOM: 9.89,18.19 19.69,18.19 20.65,17.23 20.65,6.79 18.1,4.24 9.52,4.24 9.09,4.67 9.09,17.39
N16785292 on TOP: 21.34,33.44 27.85,33.44 28.33,32.96 28.33,31.25 29.06,30.52 31.88,30.52 40.12,22.28 40.12,11.15 39.75,10.79 37.77,10.79 36.91,11.65 36.91,16.52 33.46,19.96 27.14,19.96 25.15,17.97 25.15,11.52 24.95,11.32 23.26,11.32 21.97,12.61 21.97,30.36 20.41,31.92 20.41,32.51
N16878286 on TOP: 108.96,116.23 111.65,116.23 112.44,115.44 112.44,113.08 112.9,112.62 114.42,112.62 114.73,112.32 114.73,111.73 114.55,111.56 113,111.56 110.56,109.12 109.04,109.12 108.45,109.7 108.45,115.72
N16932299 on BOTTOM: 1.74,49.98 19.8,49.98 20.81,48.97 20.81,47.21 11.89,38.29 1.64,38.29 1,38.93 1,49.24
N16932357 on TOP: 22.27,66.04 24.23,66.04 24.67,65.6 24.67,43.8 24.32,43.46 22.31,43.46 21.76,44 21.76,65.53
N16935752 on TOP: 8.25,115.72 16.86,115.72 17.27,115.32 17.27,112.93 17.98,112.22 17.98,111.1 17.75,110.87 8.4,110.87 7.01,112.27 7.01,114.48
N16935822 on TOP: 7.94,104.55 17.52,104.55 18.03,104.04 18.03,102.57 17.14,101.68 17.14,100.79 16.83,100.48 8.73,100.48 7.08,102.13 7.08,103.68
N167792300 on TOP: 11.81,75.06 7.36,70.61 2.59,70.61 1.01,72.19 1.01,78.29 2.14,79.42 14.67,79.42 15.69,80.43 20.7,80.43 21.06,80.07 21.06,77.48 18.64,75.06

## Text on the board
Board Geometry/Soldermask Bottom: 8 OF 10 | SECONDARY SOLDERMASK
Package Geometry/Pastemask Bottom: 10 OF 10 | SECONDARY PASTEMASK
Ref Des/Silkscreen Bottom: COIL2 | 2013/01/08 | CSC0411V1.2A1 | COIL1 | GND | 3V3 | BKGD | RST | 5V- | 5V+ | 9 OF 10 | SECONDARY SILKSCREEN
Board Geometry/Soldermask Top: 3 OF 10 | PRIMARY SOLDERMASK
Package Geometry/Pastemask Top: 1 OF 10 | PRIMARY PASTEMASK
Ref Des/Silkscreen Top: DC-AOUT | DC-AIN | DC-VIN | GND | STATUS2 | ADC_IN | STATUS1 | 3.3V | UART-RX | UART-TX | 232-RX | 232-TX | WDOG | GPIO_IN1 | GPIO_IN2 | POWER | 2 OF 10 | PRIMARY SILKSCREEN
DIMENSION: PRIMARY DATUM | GRID ORIGIN | PCB THICKNESS = 1.6MM
BODY_CENTER: 16. | 8
User.8: FIGURE | SIZE | 12.0 | 14.0 | 32.0 | 36.0 | 40.0 | 44.0 | 55.0 | 63.0 | 74.0 | 95.0 | 125.0 | 139.0 | 128.0 | 158.0x40.0 | 178.0x40.0 | DRILL CHART: TOP to BOTTOM | ALL UNITS ARE IN MILS | TOLERANCE | +2.0/-2.0 | +0.0/-0.0 | +3.0/-3.0 | PLATED | NON-PLATED | QTY | 540 | 2 | 60 | 48 | 26 | 65 | 14 | 7 | 4 | 1
